# Altium PCB PCB.PcbDoc
Units mil, origin at the board's own origin, x right, y up, seen from the top; angles counter-clockwise.
Board outline 5000 x 5000 mil, 4 copper layers (Top, Ground Plane, Power Plane, Bottom), stack 67.086 mil thick; 294 components, 274 nets, 820 pads, 0 vias.
Unrouted connection lines stored in the file: 488.
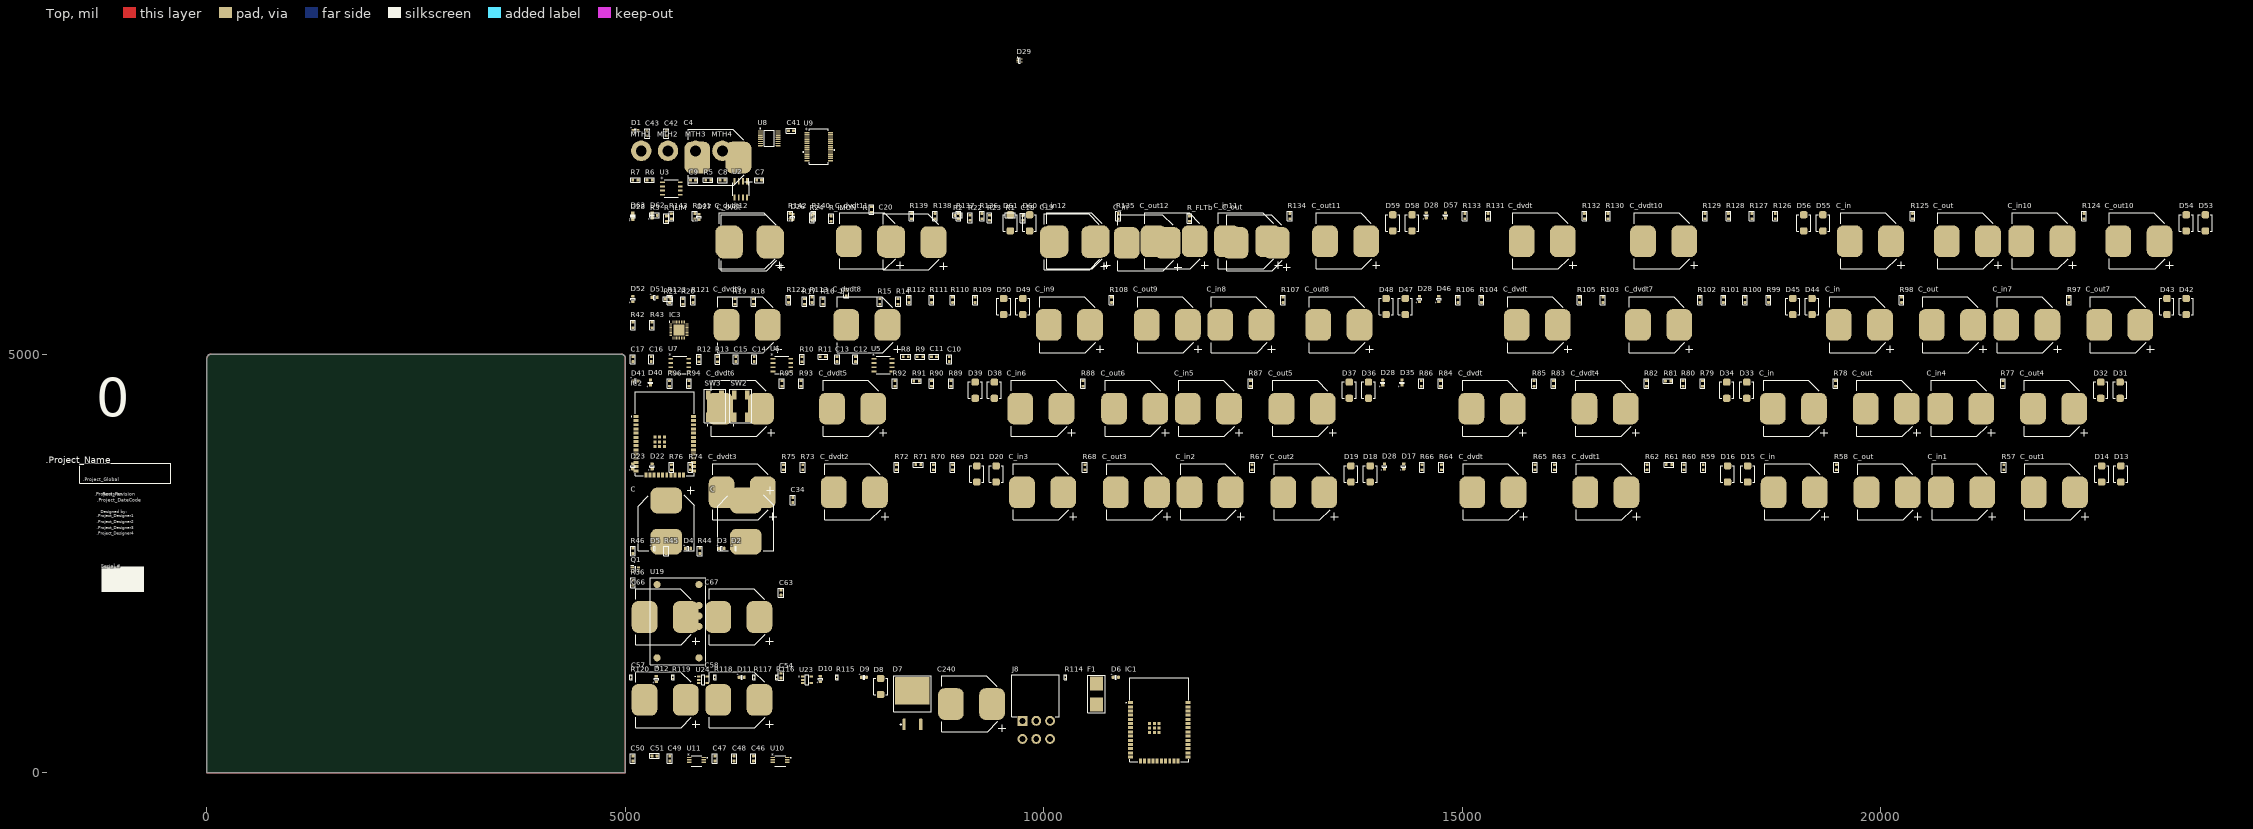
[diagram p0: Top view]
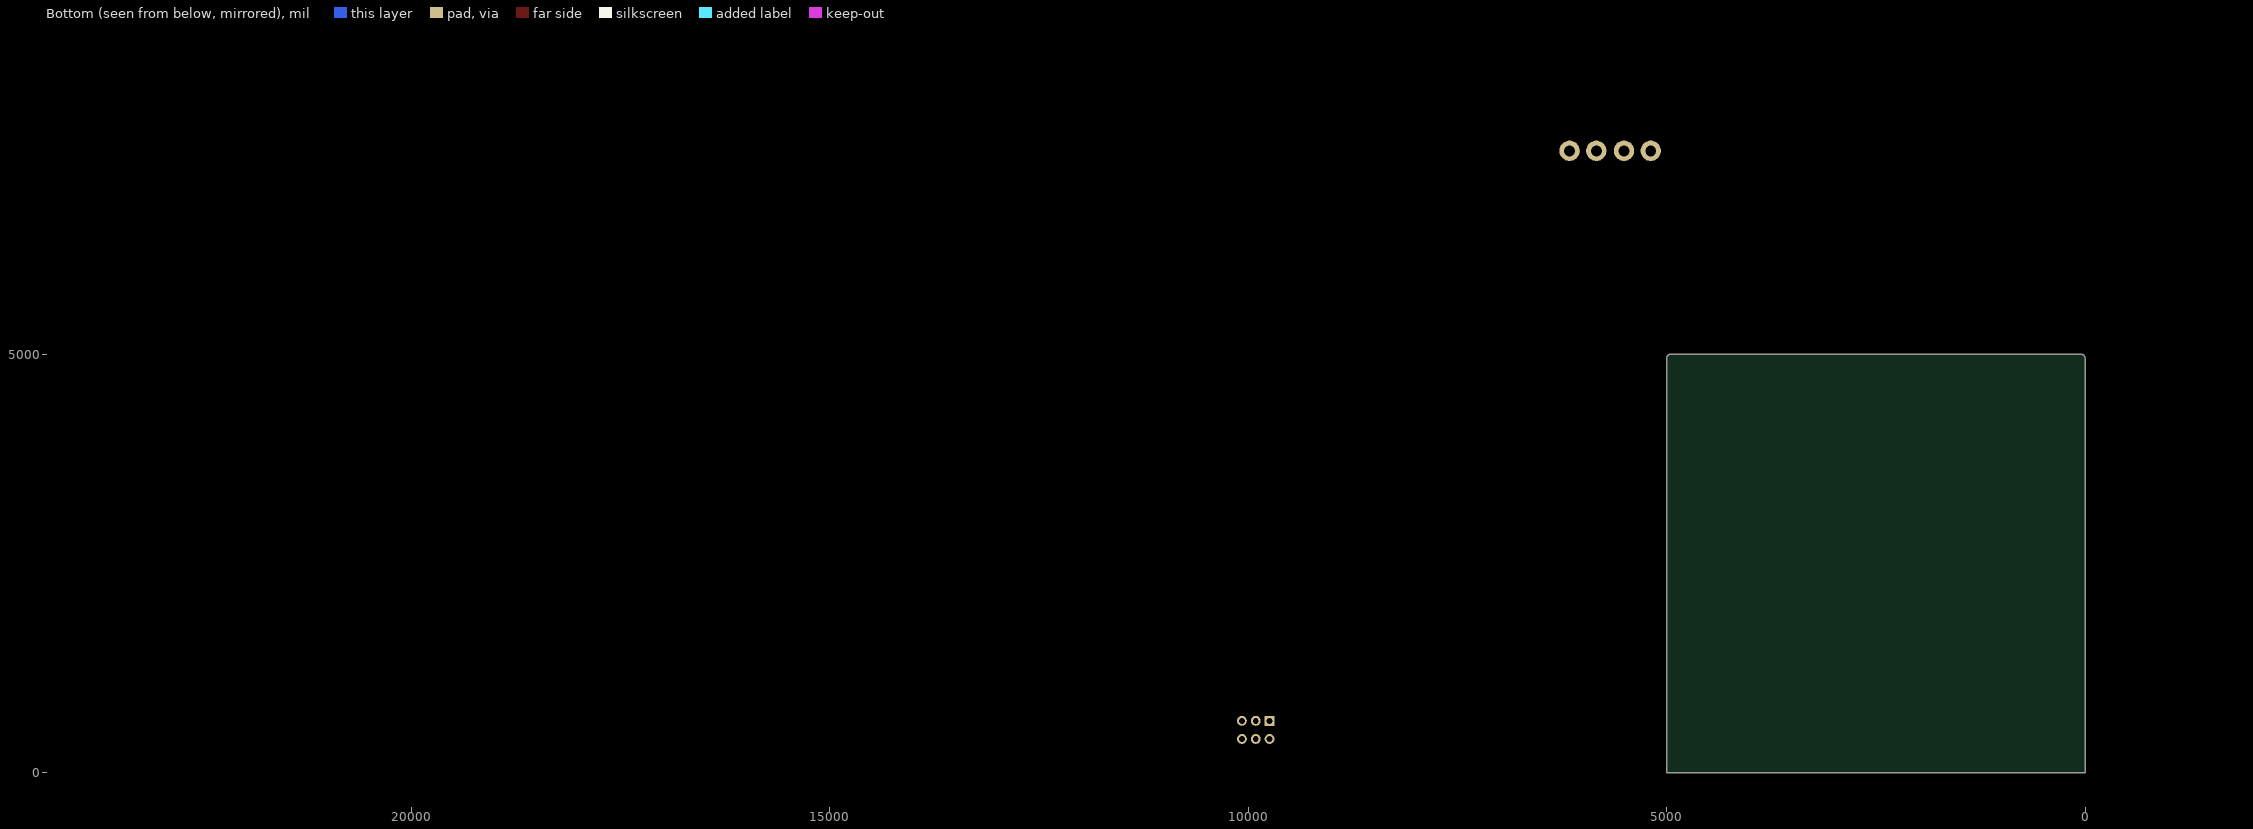
[diagram p1: Bottom view, seen from below]
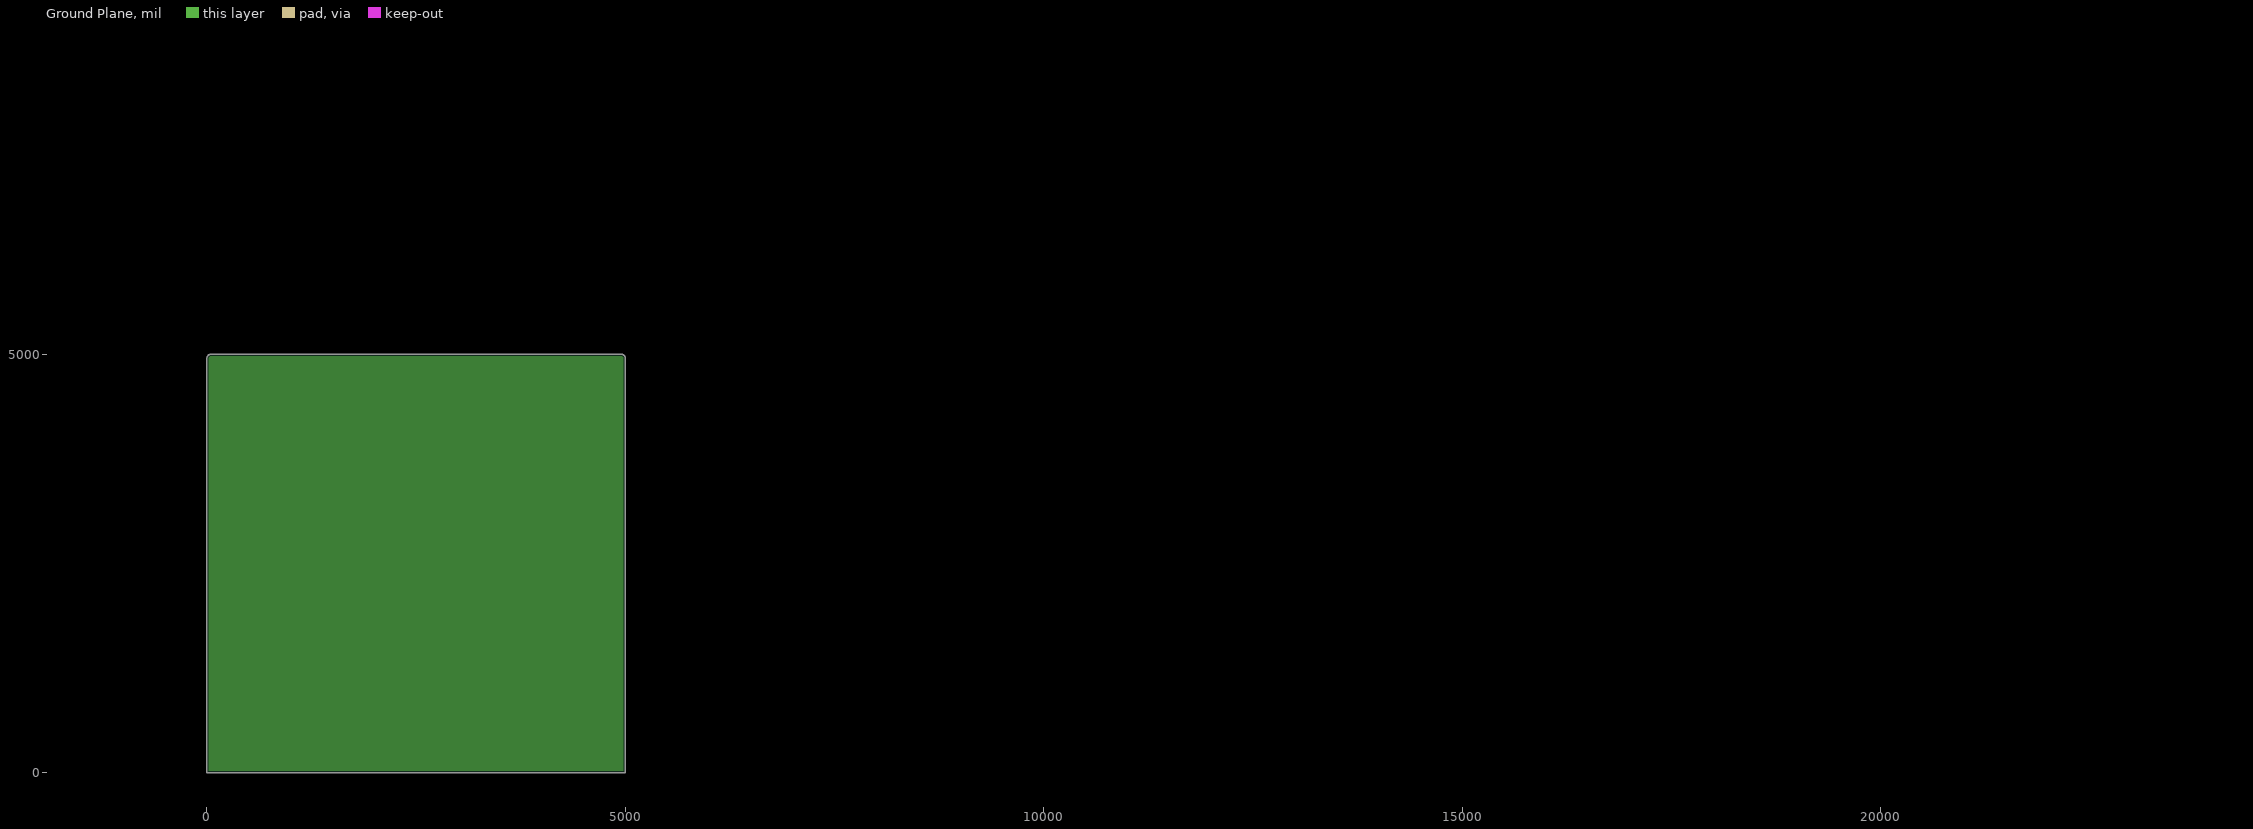
[diagram p2: Ground Plane, clearances drawn from the general rule]
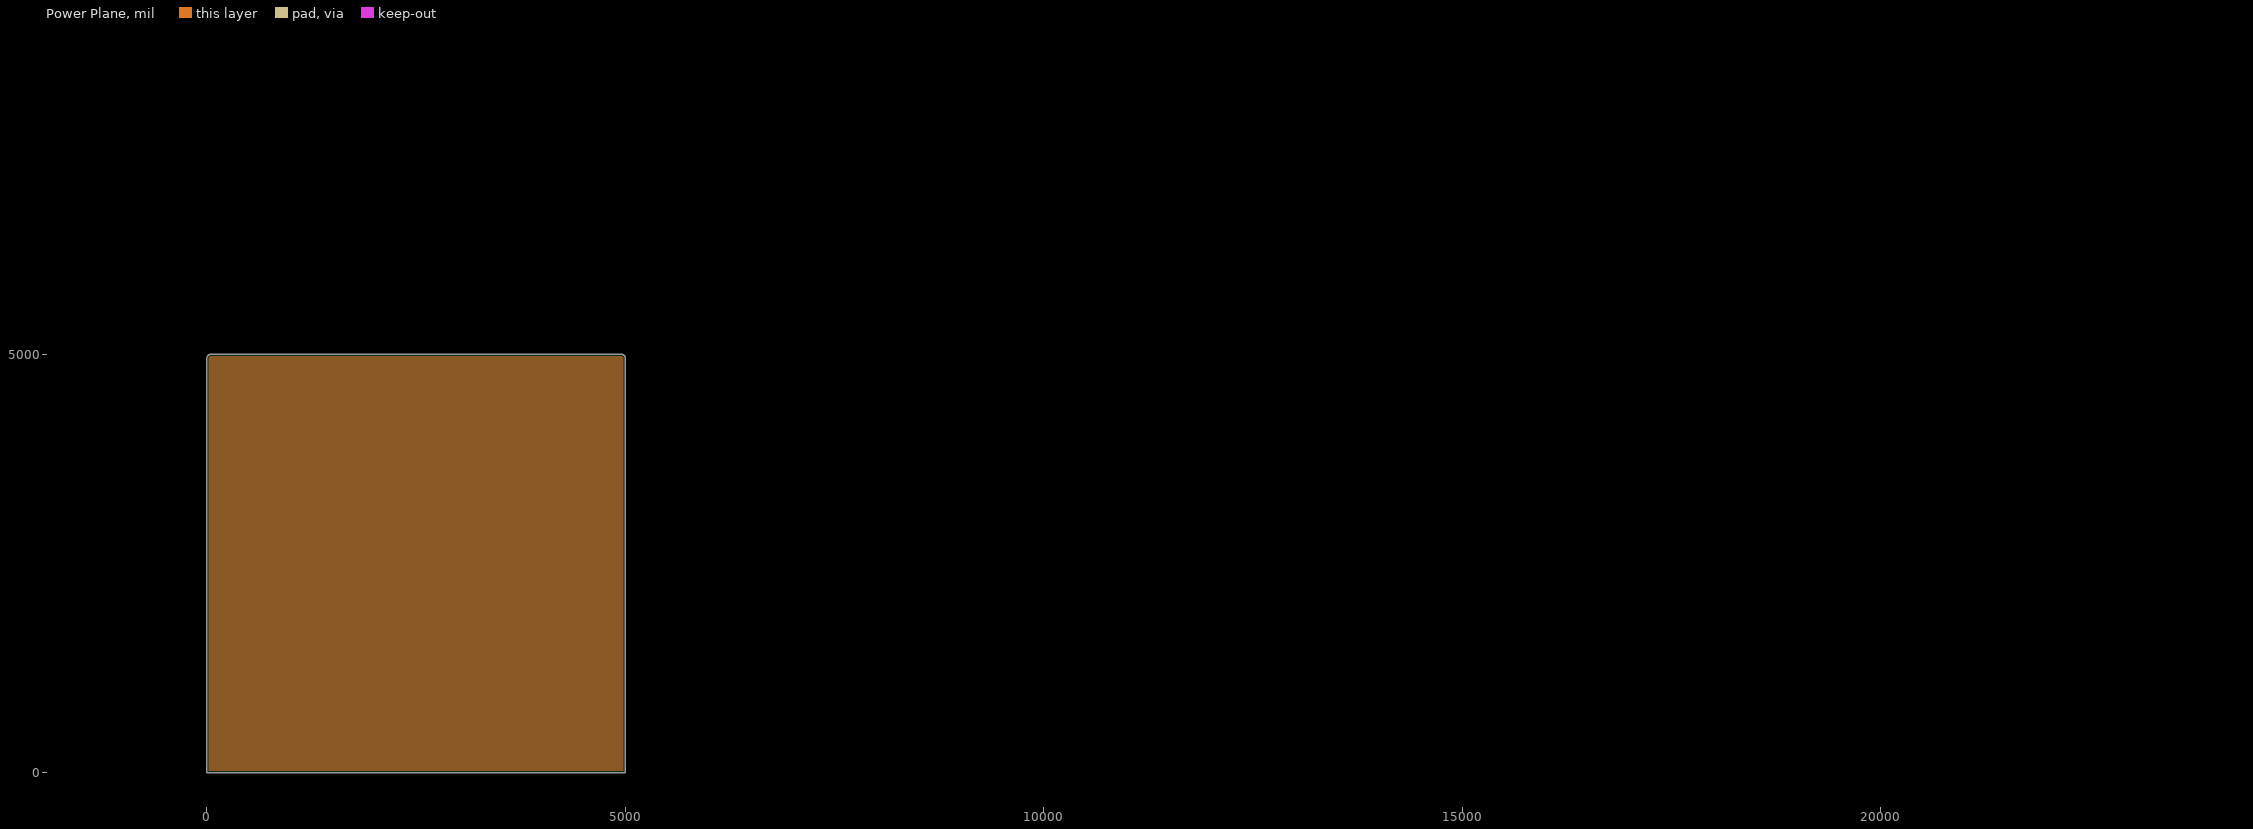
[diagram p3: Power Plane, clearances drawn from the general rule]

## Layer stack, top to bottom
Top Solder: solder mask 0.4, Solder Resist, Dk 3.5
Top: signal copper 1.378
Dielectric 1: prepreg 7.874, FR-4, Dk 4.2
Ground Plane: plane copper 0.669
Dielectric 3: core 47.244, Dk 4.2
Power Plane: plane copper 0.669
Dielectric 4: prepreg 7.874, Dk 4.2
Bottom: signal copper 1.378
Bottom Solder: solder mask 0.4, Solder Resist, Dk 3.5

## Board outline
0,0 5000,0 5000,4950 ccw(c4950,4950) 4950,5000 50,5000 ccw(c50,4950) 0,4950

## Design rules (kind name [scope] priority, off if disabled: settings)
Clearance [All] p1: gap=6 ignorepadtopadclearanceinfootprint=FALSE except(0: Arc-Hole Track-Hole SMDPad-Hole THPad-Hole Via-Hole Fill-Hole Poly-Hole Region-Hole Text-Hole)
ComponentClearance [All] p1: gap=4 collisioncheckmode=3 verticalgap=4 showdistances=FALSE
DiffPairsRouting [All] p1: maxlimit=10 minlimit=10 mostfreqgap=10 toplayer_minwidth=15 toplayer_maxwidth=15 toplayer_prefwidth=15 bottomlayer_minwidth=15 bottomlayer_maxwidth=15 bottomlayer_prefwidth=15 maxuncoupledlength=500
HoleSize [All] p1: absolutevalues=TRUE maxlimit=1000 minlimit=4 maxpercent=80.000 minpercent=20.000
HoleToHoleClearance [All] p1: gap=10 allowstackedmicrovias=FALSE
MinimumSolderMaskSliver [All] p1: minsoldermaskwidth=4
PlaneClearance [All] p1: clearance=6
PlaneConnect [All] p1: pad.planeconnectstyle=Relief pad.reliefexpansion=20 pad.reliefentries=4 pad.reliefconductorwidth=10 pad.reliefairgap=10 via.planeconnectstyle=Direct via.reliefexpansion=20 via.reliefentries=4 via.reliefconductorwidth=10 via.reliefairgap=10
PolygonConnect [All] p1: thpad.connectstyle=Relief thpad.reliefconductorwidth=10 thpad.reliefentries=4 thpad.polygonreliefangle="90 Angle" thpad.airgapwidth=10 smdpad.connectstyle=Direct smdpad.reliefconductorwidth=10 smdpad.reliefentries=4 smdpad.polygonreliefangle="90 Angle" smdpad.airgapwidth=10 via.connectstyle=Direct via.reliefconductorwidth=10 via.reliefentries=4 via.polygonreliefangle="90 Angle" via.airgapwidth=10
RoutingVias [All] p1: holewidth=10 width=20 viastyle="Through Hole" minholewidth=10 minwidth=20 maxholewidth=10 maxwidth=20
SilkToSilkClearance [All] p1: silktosilkclearance=4
SilkToSolderMaskClearance [IsPad] p1: minsilkscreentomaskgap=2 clearancetoexposedcopper=FALSE
SolderMaskExpansion [All] p1: expansion=2 istentingtop=FALSE
SupplyNets "Schematic Supply Nets_15" [InNet('GND_USB')] p1: voltage=0.000
SupplyNets "Schematic Supply Nets_14" [InNet('3v3')] p2: voltage=0.000
SupplyNets "Schematic Supply Nets_13" [InNet('5V_A')] p3: voltage=0.000
SupplyNets "Schematic Supply Nets_12" [InNet('GND')] p4: voltage=0.000
SupplyNets "Schematic Supply Nets_11" [InNet('24V')] p5: voltage=0.000
SupplyNets "Schematic Supply Nets_8" [InNet('+3V3')] p6: voltage=0.000
SupplyNets "Schematic Supply Nets_7" [InNet('3v3_I2C')] p7: voltage=0.000
SupplyNets "Schematic Supply Nets_6" [InNet('5V')] p8: voltage=0.000
SupplyNets "Schematic Supply Nets_5" [InNet('+24V')] p9: voltage=0.000
SupplyNets "Schematic Supply Nets_4" [InNet('+12')] p10: voltage=0.000
SupplyNets "Schematic Supply Nets_3" [InNet('VBUS')] p11: voltage=0.000
SupplyNets "Schematic Supply Nets_2" [InNet('VM')] p12: voltage=0.000
SupplyNets "Schematic Supply Nets_1" [InNet('VDD33')] p13: voltage=0.000
SupplyNets "Schematic Supply Nets" [InNet('V_BATT')] p14: voltage=0.000
Width [All] p1: maxlimit=1000 minlimit=4 preferedwidth=6
21 further rules are at their usual default settings.

## Classes and differential pairs
component class REGENIX_Relais_24V_4: C_dvdt C_dvdt10 C_dvdt11 C_dvdt12 C_in C_in10 C_in11 C_in12 C_out C_out10 C_out11 C_out12 CN13 CN14 CN15 CN16 D28 D53 D54 D55 D56 D57 D58 D59 D60 D61 D62 D63 DZ DZ11 DZ12 DZ13 R124 R125 R126 R127 R128 R129 R130 R131 R132 R133 R134 R135 R136 R137 R138 R139 R140 R141 R142 R143 U16 U29 U30 U31
component class REGENIX_Relais_24V_3: C_dvdt C_dvdt7 C_dvdt8 C_dvdt9 C_in C_in7 C_in8 C_in9 C_out C_out7 C_out8 C_out9 CN9 CN10 CN11 CN12 D28 D42 D43 D44 D45 D46 D47 D48 D49 D50 D51 D52 DZ DZ8 DZ9 DZ10 R97 R98 R99 R100 R101 R102 R103 R104 R105 R106 R107 R108 R109 R110 R111 R112 R113 R121 R122 R123 U16 U26 U27 U28
component class REGENIX_Relais_24V_2: C_dvdt C_dvdt4 C_dvdt5 C_dvdt6 C_in C_in4 C_in5 C_in6 C_out C_out4 C_out5 C_out6 CN5 CN6 CN7 CN8 D28 D31 D32 D33 D34 D35 D36 D37 D38 D39 D40 D41 DZ DZ5 DZ6 DZ7 R77 R78 R79 R80 R81 R82 R83 R84 R85 R86 R87 R88 R89 R90 R91 R92 R93 R94 R95 R96 U16 U21 U22 U25
component class REGENIX_Relais_24V_1: C_dvdt C_dvdt1 C_dvdt2 C_dvdt3 C_in C_in1 C_in2 C_in3 C_out C_out1 C_out2 C_out3 CN1 CN2 CN3 CN4 D13 D14 D15 D16 D17 D18 D19 D20 D21 D22 D23 D28 DZ DZ2 DZ3 DZ4 R57 R58 R59 R60 R61 R62 R63 R64 R65 R66 R67 R68 R69 R70 R71 R72 R73 R74 R75 R76 U13 U14 U15 U16
component class REGENIX_DRIVER_3: C61 C62 C63 C64 C65 C66 C67 C68 C69 Moteur_5 Moteur_6 R52 R53 R54 R55 R56 U12
component class REGENIX_DRIVER_2: C52 C53 C54 C55 C56 C57 C58 C59 C60 Moteur_3 Moteur_4 R47 R48 R49 R50 R51 U1
component class REGENIX_ADC: C46 C47 C48 C49 C50 C51 U10 U11
component class REGENIX_TITLE: MTH1 MTH2 MTH3 MTH4
component class REGENIX_RS485: C7 C8 C9 R5 R6 R7 U2 U3
component class REGENIX_USB-C: 1 C4 C41 C42 C43 D1 D2 D3 D4 D5 D13 D14 D15 D16 D17 D18 D19 D20 D21 D22 D23 D29 K1 K2 K3 K4 K5 K6 K7 K8 P1 Q1 Q2 Q3 Q4 Q5 Q6 Q7 Q8 R16 R17 R18 R19 R20 T* U8 U9 U10 U11 U12 U13 U14 U15
component class REGENIX_Relais_12V: C18 C19 C20 C_dvdt C_in C_out D24 D25 D26 D27 D28 DZ DZ1 ESD1 ESD2 R R1 R2 R3 R22 R23 R24 R_FLTb R_ILIM R_IMON U16 U17
component class REGENIX_IO_EXPANDER: D2 D3 D4 D5 IC3 R21 R42 R43 R44 R45 R46
component class REGENIX_I2C: C10 C11 C12 C13 C14 C15 C16 C17 J1 J2 J3 R8 R9 R10 R11 R12 R13 U4 U5 U6 U7
component class REGENIX_ESP32: C1 C2 C3 C4 C5 C6 "GPIO Extender" IC2 Q1 R4 R14 R15 SW2 SW3 U1
component class REGENIX_DRIVER: C C32 C33 C34 C35 C36 C37 C38 MOTOR1 MOTOR2 R37 R38 R39 R40 R41 U20
component class REGENIX_Convertisseurs: R36 U19
component class REGENIX_Battery_Protection: C240 D6 D7 D8 D9 D10 D11 D12 F1 IC1 J8 R114 R115 R116 R117 R118 R119 R120 S1 S2 U23 U24
differential pair USB_C: +USB_C_P -USB_C_N

## Components (designator, comment, footprint, x,y, rotation, side; value= is the part's Value field where it differs from the comment)
1 "MI0603M121R-10" RES_0603 7640,5730 r90 top
C "MAL214699108E3" CAP_ALU_1616_vishay 6440,2760 r90 top value=150uF
C "MAL214699108E3" CAP_ALU_1616_vishay 5490,2760 r90 top value=150uF
C4 "MAL214699108E3" CAP_ALU_1616_vishay 5860,7350 r0 top value=4.7uF
C7 "CAP - 0603" CAP_0603 6600,7080 r0 top value=100n
C8 "CAP - 0603" CAP_0603 6160,7080 r0 top value=100n
C9 "CAP - 0603" CAP_0603 5810,7080 r0 top value=100n
C10 "CAP - 0603" CAP_0603 8870,4940 r90 top value=1u
C11 "CAP - 0603" CAP_0603 8690,4970 r0 top value=2u2
C12 "CAP - 0603" CAP_0603 7750,4940 r90 top value=100n
C13 "CAP - 0603" CAP_0603 7530,4940 r90 top value=100n
C14 "CAP - 0603" CAP_0603 6540,4940 r90 top value=100n
C15 "CAP - 0603" CAP_0603 6320,4940 r90 top value=100n
C16 "CAP - 0603" CAP_0603 5310,4940 r90 top value=100n
C17 "CAP - 0603" CAP_0603 5090,4940 r90 top value=100n
C18 "CAP - 0603" CAP_0603 9750,6630 r90 top
C19 "MAL214699108E3" CAP_ALU_1616_vishay 10110,6340 r0 top value=50uF
C20 "MAL214699108E3" CAP_ALU_1616_vishay 8190,6340 r0 top
C34 "CAP - 0603" CAP_0603 7000,3260 r90 top value=470nF
C41 "CAP - 0603" CAP_0603 6980,7670 r0 top value=100n
C42 "CAP - 0603" CAP_0603 5490,7640 r90 top value=47p
C43 "CAP - 0603" CAP_0603 5260,7640 r90 top value=47p
C46 "CAP - 0603" CAP_0603 6530,170 r90 top value=100n
C47 "CAP - 0603" CAP_0603 6070,170 r90 top value=4u7
C48 "CAP - 0603" CAP_0603 6300,170 r90 top value=100n
C49 "CAP - 0603" CAP_0603 5530,170 r90 top value=100n
C50 "CAP - 0603" CAP_0603 5090,170 r90 top value=4u7
C51 "CAP - 0603" CAP_0603 5350,200 r0 top value=100n
C54 "CAP - 0603" CAP_0603 6860,1160 r90 top value=470nF
C57 "MAL214699108E3" CAP_ALU_1616_vishay 5230,870 r0 top value=150uF
C58 "MAL214699108E3" CAP_ALU_1616_vishay 6110,870 r0 top value=150uF
C63 "CAP - 0603" CAP_0603 6860,2150 r90 top value=470nF
C66 "MAL214699108E3" CAP_ALU_1616_vishay 5230,1860 r0 top value=150uF
C67 "MAL214699108E3" CAP_ALU_1616_vishay 6110,1860 r0 top value=150uF
C240 "MAL214699108E3" CAP_ALU_1616_vishay 8890,820 r0 top value=470uF
C_dvdt "MAL214699108E3" CAP_ALU_1616_vishay 15110,4350 r0 top value=29uF
C_dvdt "MAL214699108E3" CAP_ALU_1616_vishay 15120,3350 r0 top value=29uF
C_dvdt "MAL214699108E3" CAP_ALU_1616_vishay 15710,6350 r0 top value=29uF
C_dvdt "MAL214699108E3" CAP_ALU_1616_vishay 15650,5350 r0 top value=29uF
C_dvdt "MAL214699108E3" CAP_ALU_1616_vishay 6250,6330 r0 top value=29uF
C_dvdt1 "MAL214699108E3" CAP_ALU_1616_vishay 16470,3350 r0 top value=29uF
C_dvdt2 "MAL214699108E3" CAP_ALU_1616_vishay 7490,3350 r0 top value=29uF
C_dvdt3 "MAL214699108E3" CAP_ALU_1616_vishay 6150,3350 r0 top value=29uF
C_dvdt4 "MAL214699108E3" CAP_ALU_1616_vishay 16460,4350 r0 top value=29uF
C_dvdt5 "MAL214699108E3" CAP_ALU_1616_vishay 7470,4350 r0 top value=29uF
C_dvdt6 "MAL214699108E3" CAP_ALU_1616_vishay 6130,4350 r0 top value=29uF
C_dvdt7 "MAL214699108E3" CAP_ALU_1616_vishay 17100,5350 r0 top value=29uF
C_dvdt8 "MAL214699108E3" CAP_ALU_1616_vishay 7640,5350 r0 top value=29uF
C_dvdt9 "MAL214699108E3" CAP_ALU_1616_vishay 6210,5350 r0 top value=29uF
C_dvdt10 "MAL214699108E3" CAP_ALU_1616_vishay 17160,6350 r0 top value=29uF
C_dvdt11 "MAL214699108E3" CAP_ALU_1616_vishay 7670,6350 r0 top value=29uF
C_dvdt12 "MAL214699108E3" CAP_ALU_1616_vishay 6230,6350 r0 top value=29uF
C_in "MAL214699108E3" CAP_ALU_1616_vishay 18710,4350 r0 top value=50uF
C_in "MAL214699108E3" CAP_ALU_1616_vishay 18720,3350 r0 top value=50uF
C_in "MAL214699108E3" CAP_ALU_1616_vishay 19630,6350 r0 top value=50uF
C_in "MAL214699108E3" CAP_ALU_1616_vishay 19500,5350 r0 top value=50uF
C_in "MAL214699108E3" CAP_ALU_1616_vishay 10990,6330 r0 top value=50uF
C_in1 "MAL214699108E3" CAP_ALU_1616_vishay 20720,3350 r0 top value=50uF
C_in2 "MAL214699108E3" CAP_ALU_1616_vishay 11740,3350 r0 top value=50uF
C_in3 "MAL214699108E3" CAP_ALU_1616_vishay 9740,3350 r0 top value=50uF
C_in4 "MAL214699108E3" CAP_ALU_1616_vishay 20710,4350 r0 top value=50uF
C_in5 "MAL214699108E3" CAP_ALU_1616_vishay 11720,4350 r0 top value=50uF
C_in6 "MAL214699108E3" CAP_ALU_1616_vishay 9720,4350 r0 top value=50uF
C_in7 "MAL214699108E3" CAP_ALU_1616_vishay 21500,5350 r0 top value=50uF
C_in8 "MAL214699108E3" CAP_ALU_1616_vishay 12110,5350 r0 top value=50uF
C_in9 "MAL214699108E3" CAP_ALU_1616_vishay 10060,5350 r0 top value=50uF
C_in10 "MAL214699108E3" CAP_ALU_1616_vishay 21680,6350 r0 top value=50uF
C_in11 "MAL214699108E3" CAP_ALU_1616_vishay 12190,6350 r0 top value=50uF
C_in12 "MAL214699108E3" CAP_ALU_1616_vishay 10140,6350 r0 top value=50uF
C_out "MAL214699108E3" CAP_ALU_1616_vishay 19820,4350 r0 top value=1.5mF
C_out "MAL214699108E3" CAP_ALU_1616_vishay 19830,3350 r0 top value=1.5mF
C_out "MAL214699108E3" CAP_ALU_1616_vishay 20790,6350 r0 top value=1.5mF
C_out "MAL214699108E3" CAP_ALU_1616_vishay 20610,5350 r0 top value=1.5mF
C_out "MAL214699108E3" CAP_ALU_1616_vishay 12290,6330 r0 top value=300uF
C_out1 "MAL214699108E3" CAP_ALU_1616_vishay 21830,3350 r0 top value=1.5mF
C_out2 "MAL214699108E3" CAP_ALU_1616_vishay 12860,3350 r0 top value=1.5mF
C_out3 "MAL214699108E3" CAP_ALU_1616_vishay 10860,3350 r0 top value=1.5mF
C_out4 "MAL214699108E3" CAP_ALU_1616_vishay 21820,4350 r0 top value=1.5mF
C_out5 "MAL214699108E3" CAP_ALU_1616_vishay 12840,4350 r0 top value=1.5mF
C_out6 "MAL214699108E3" CAP_ALU_1616_vishay 10840,4350 r0 top value=1.5mF
C_out7 "MAL214699108E3" CAP_ALU_1616_vishay 22610,5350 r0 top value=1.5mF
C_out8 "MAL214699108E3" CAP_ALU_1616_vishay 13280,5350 r0 top value=1.5mF
C_out9 "MAL214699108E3" CAP_ALU_1616_vishay 11230,5350 r0 top value=1.5mF
C_out10 "MAL214699108E3" CAP_ALU_1616_vishay 22840,6350 r0 top value=1.5mF
C_out11 "MAL214699108E3" CAP_ALU_1616_vishay 13360,6350 r0 top value=1.5mF
C_out12 "MAL214699108E3" CAP_ALU_1616_vishay 11310,6350 r0 top value=1.5mF
D1 "LED" LED_0603 5120,7670 r0 top
D2 "SML-311DTT86" LED_0603 6320,2680 r0 top value=ORANGE
D3 "SML-311DTT86" LED_0603 6150,2680 r0 top value=ORANGE
D4 "SML-311DTT86" LED_0603 5750,2680 r0 top value=ORANGE
D5 "SML-311DTT86" LED_0603 5350,2680 r0 top value=ORANGE
D6 "SML-311UTT86" LED_0603 10860,1140 r0 top value=RED
D7 "MBRB4030T4G" DIO_SCHOTTKY_MBRB4030T4G 8430,910 r0 top value="Vf = 550mV @ 40A"
D8 "SMBJ24CA" TVS_PWR_SMBJ36CA 8050,1030 r90 top value="Vbr = 26.7V -  Clamp = 38.9V"
D9 "SML-311UTT86" LED_0603 7850,1140 r0 top value=RED
D10 "SML-311UTT86" LED_0603 7330,1120 r90 top value=RED
D11 "SML-311UTT86" LED_0603 6390,1140 r0 top value=RED
D12 "SML-311UTT86" LED_0603 5370,1120 r90 top value=RED
D13 "SMBJ24CA" TVS_PWR_SMBJ36CA 22870,3570 r90 top value="Vbr = 26.7V -  Clamp = 38.9V"
D14 "SMBJ24CA" TVS_PWR_SMBJ36CA 22640,3570 r90 top value="Vbr = 26.7V -  Clamp = 38.9V"
D15 "SMBJ24CA" TVS_PWR_SMBJ36CA 18410,3570 r90 top value="Vbr = 26.7V -  Clamp = 38.9V"
D16 "SMBJ24CA" TVS_PWR_SMBJ36CA 18170,3570 r90 top value="Vbr = 26.7V -  Clamp = 38.9V"
D17 "SML-311DTT86" LED_0603 14300,3660 r90 top
D18 "SMBJ24CA" TVS_PWR_SMBJ36CA 13900,3570 r90 top value="Vbr = 26.7V -  Clamp = 38.9V"
D19 "SMBJ24CA" TVS_PWR_SMBJ36CA 13670,3570 r90 top value="Vbr = 26.7V -  Clamp = 38.9V"
D20 "SMBJ24CA" TVS_PWR_SMBJ36CA 9430,3570 r90 top value="Vbr = 26.7V -  Clamp = 38.9V"
D21 "SMBJ24CA" TVS_PWR_SMBJ36CA 9200,3570 r90 top value="Vbr = 26.7V -  Clamp = 38.9V"
D22 "SML-311DTT86" LED_0603 5320,3660 r90 top
D23 "SML-311DTT86" LED_0603 5090,3660 r90 top
D26 "SML-311DTT86" LED_0603 7000,6640 r90 top
D27 "SML-311DTT86" LED_0603 5880,6640 r90 top
D28 "SML-311DTT86" LED_0603 14050,4660 r90 top
D28 "SML-311DTT86" LED_0603 14070,3660 r90 top
D28 "SML-311DTT86" LED_0603 14570,6660 r90 top
D28 "SML-311DTT86" LED_0603 14490,5660 r90 top
D28 "SML-311DTT86" LED_0603 5090,6640 r90 top
D29 "TPD2E001DRLR" TVS_USB_TPD2E001DRLR 9710,8510 r0 top value="11V Breakdown"
D31 "SMBJ24CA" TVS_PWR_SMBJ36CA 22860,4570 r90 top value="Vbr = 26.7V -  Clamp = 38.9V"
D32 "SMBJ24CA" TVS_PWR_SMBJ36CA 22630,4570 r90 top value="Vbr = 26.7V -  Clamp = 38.9V"
D33 "SMBJ24CA" TVS_PWR_SMBJ36CA 18400,4570 r90 top value="Vbr = 26.7V -  Clamp = 38.9V"
D34 "SMBJ24CA" TVS_PWR_SMBJ36CA 18160,4570 r90 top value="Vbr = 26.7V -  Clamp = 38.9V"
D35 "SML-311DTT86" LED_0603 14280,4660 r90 top
D36 "SMBJ24CA" TVS_PWR_SMBJ36CA 13880,4570 r90 top value="Vbr = 26.7V -  Clamp = 38.9V"
D37 "SMBJ24CA" TVS_PWR_SMBJ36CA 13650,4570 r90 top value="Vbr = 26.7V -  Clamp = 38.9V"
D38 "SMBJ24CA" TVS_PWR_SMBJ36CA 9410,4570 r90 top value="Vbr = 26.7V -  Clamp = 38.9V"
D39 "SMBJ24CA" TVS_PWR_SMBJ36CA 9180,4570 r90 top value="Vbr = 26.7V -  Clamp = 38.9V"
D40 "SML-311DTT86" LED_0603 5300,4660 r90 top
D41 "SML-311DTT86" LED_0603 5120,4680 r0 top
D42 "SMBJ24CA" TVS_PWR_SMBJ36CA 23650,5570 r90 top value="Vbr = 26.7V -  Clamp = 38.9V"
D43 "SMBJ24CA" TVS_PWR_SMBJ36CA 23420,5570 r90 top value="Vbr = 26.7V -  Clamp = 38.9V"
D44 "SMBJ24CA" TVS_PWR_SMBJ36CA 19180,5570 r90 top value="Vbr = 26.7V -  Clamp = 38.9V"
D45 "SMBJ24CA" TVS_PWR_SMBJ36CA 18950,5570 r90 top value="Vbr = 26.7V -  Clamp = 38.9V"
D46 "SML-311DTT86" LED_0603 14720,5660 r90 top
D47 "SMBJ24CA" TVS_PWR_SMBJ36CA 14320,5570 r90 top value="Vbr = 26.7V -  Clamp = 38.9V"
D48 "SMBJ24CA" TVS_PWR_SMBJ36CA 14090,5570 r90 top value="Vbr = 26.7V -  Clamp = 38.9V"
D49 "SMBJ24CA" TVS_PWR_SMBJ36CA 9750,5570 r90 top value="Vbr = 26.7V -  Clamp = 38.9V"
D50 "SMBJ24CA" TVS_PWR_SMBJ36CA 9520,5570 r90 top value="Vbr = 26.7V -  Clamp = 38.9V"

## Text inside footprints (layer, text, board x,y; h text height)
C_out: Drill Guide "Date : 2013-04-17" at 19848.7,2879.53 h39.37; Drill Guide "Created by : Alexandre Gaudet" at 19848.7,2969.09 h39.37; Drill Guide "Verified by : Alexandre Imbeault" at 19848.74,2923.82 h39.37
C_out: Drill Guide "Date : 2013-04-17" at 12308.7,5859.53 h39.37; Drill Guide "Created by : Alexandre Gaudet" at 12308.7,5949.09 h39.37; Drill Guide "Verified by : Alexandre Imbeault" at 12308.74,5903.82 h39.37
C_out1: Drill Guide "Date : 2013-04-17" at 21848.7,2879.53 h39.37; Drill Guide "Created by : Alexandre Gaudet" at 21848.7,2969.09 h39.37; Drill Guide "Verified by : Alexandre Imbeault" at 21848.74,2923.82 h39.37
C_out2: Drill Guide "Date : 2013-04-17" at 12878.7,2879.53 h39.37; Drill Guide "Created by : Alexandre Gaudet" at 12878.7,2969.09 h39.37; Drill Guide "Verified by : Alexandre Imbeault" at 12878.74,2923.82 h39.37
C_out3: Drill Guide "Date : 2013-04-17" at 10878.7,2879.53 h39.37; Drill Guide "Created by : Alexandre Gaudet" at 10878.7,2969.09 h39.37; Drill Guide "Verified by : Alexandre Imbeault" at 10878.74,2923.82 h39.37
C_out4: Drill Guide "Date : 2013-04-17" at 21838.7,3879.53 h39.37; Drill Guide "Created by : Alexandre Gaudet" at 21838.7,3969.09 h39.37; Drill Guide "Verified by : Alexandre Imbeault" at 21838.74,3923.82 h39.37
C_out5: Drill Guide "Date : 2013-04-17" at 12858.7,3879.53 h39.37; Drill Guide "Created by : Alexandre Gaudet" at 12858.7,3969.09 h39.37; Drill Guide "Verified by : Alexandre Imbeault" at 12858.74,3923.82 h39.37
C_out6: Drill Guide "Date : 2013-04-17" at 10858.7,3879.53 h39.37; Drill Guide "Created by : Alexandre Gaudet" at 10858.7,3969.09 h39.37; Drill Guide "Verified by : Alexandre Imbeault" at 10858.74,3923.82 h39.37
C_out7: Drill Guide "Date : 2013-04-17" at 22628.7,4879.53 h39.37; Drill Guide "Created by : Alexandre Gaudet" at 22628.7,4969.09 h39.37; Drill Guide "Verified by : Alexandre Imbeault" at 22628.74,4923.82 h39.37
C_out8: Drill Guide "Date : 2013-04-17" at 13298.7,4879.53 h39.37; Drill Guide "Created by : Alexandre Gaudet" at 13298.7,4969.09 h39.37; Drill Guide "Verified by : Alexandre Imbeault" at 13298.74,4923.82 h39.37
C_out9: Drill Guide "Date : 2013-04-17" at 11248.7,4879.53 h39.37; Drill Guide "Created by : Alexandre Gaudet" at 11248.7,4969.09 h39.37; Drill Guide "Verified by : Alexandre Imbeault" at 11248.74,4923.82 h39.37
C_out10: Drill Guide "Date : 2013-04-17" at 22858.7,5879.53 h39.37; Drill Guide "Created by : Alexandre Gaudet" at 22858.7,5969.09 h39.37; Drill Guide "Verified by : Alexandre Imbeault" at 22858.74,5923.82 h39.37
C_out11: Drill Guide "Date : 2013-04-17" at 13378.7,5879.53 h39.37; Drill Guide "Created by : Alexandre Gaudet" at 13378.7,5969.09 h39.37; Drill Guide "Verified by : Alexandre Imbeault" at 13378.74,5923.82 h39.37
C_out12: Drill Guide "Date : 2013-04-17" at 11328.7,5879.53 h39.37; Drill Guide "Created by : Alexandre Gaudet" at 11328.7,5969.09 h39.37; Drill Guide "Verified by : Alexandre Imbeault" at 11328.74,5923.82 h39.37
D1: Top Overlay "+" at 5060.94,7689.69 h19.68
D2: Top Overlay "+" at 6260.94,2699.69 h19.68
D3: Top Overlay "+" at 6090.94,2699.69 h19.68
D4: Top Overlay "+" at 5690.94,2699.69 h19.68
D5: Top Overlay "+" at 5290.94,2699.69 h19.68
D6: Top Overlay "+" at 10800.94,1159.69 h19.68
D9: Top Overlay "+" at 7790.94,1159.69 h19.68
D10: Top Overlay "+" at 7310.31,1060.94 h19.68 r90
D11: Top Overlay "+" at 6330.94,1159.69 h19.68
D12: Top Overlay "+" at 5350.31,1060.94 h19.68 r90
D17: Top Overlay "+" at 14280.32,3600.94 h19.68 r90
D22: Top Overlay "+" at 5300.31,3600.94 h19.68 r90
D23: Top Overlay "+" at 5070.31,3600.94 h19.68 r90
D26: Top Overlay "+" at 6980.31,6580.94 h19.68 r90
D27: Top Overlay "+" at 5860.31,6580.94 h19.68 r90
D28: Top Overlay "+" at 14550.32,6600.94 h19.68 r90
D28: Top Overlay "+" at 14470.32,5600.94 h19.68 r90
D28: Top Overlay "+" at 14030.32,4600.94 h19.68 r90
D28: Top Overlay "+" at 14050.32,3600.94 h19.68 r90
D28: Top Overlay "+" at 5070.31,6580.94 h19.68 r90
D35: Top Overlay "+" at 14260.32,4600.94 h19.68 r90
D40: Top Overlay "+" at 5280.31,4600.94 h19.68 r90
D41: Top Overlay "+" at 5060.94,4699.69 h19.68
D46: Top Overlay "+" at 14700.32,5600.94 h19.68 r90
D51: Top Overlay "+" at 5290.94,5699.69 h19.68
D52: Top Overlay "+" at 5070.31,5600.94 h19.68 r90
D57: Top Overlay "+" at 14780.32,6600.94 h19.68 r90
D62: Top Overlay "+" at 5300.31,6600.94 h19.68 r90
D63: Top Overlay "+" at 5070.31,6600.94 h19.68 r90
U3: Top Overlay "*" at 5420.25,7072 h50; Top 3D Models "*" at 5474,7025.5 h50
U5: Top Overlay "*" at 7950.25,4961 h50; Top 3D Models "*" at 8004,4915.5 h50
U6: Top Overlay "*" at 6740.25,4961 h50; Top 3D Models "*" at 6794,4915.5 h50
U7: Top Overlay "*" at 5520.25,4961 h50; Top 3D Models "*" at 5574,4915.5 h50
U9: Top Overlay "*" at 7147.75,7658.34 h50; Top 3D Models "*" at 7202.5,7633.5 h50
U10: Top Overlay "*" at 6740.75,185.37 h50; Top 3D Models "*" at 6792.5,147 h50
U11: Top Overlay "*" at 5740.75,185.37 h50; Top 3D Models "*" at 5792.5,147 h50